# KiCad board OLD_PCB.kicad_pcb (continued)
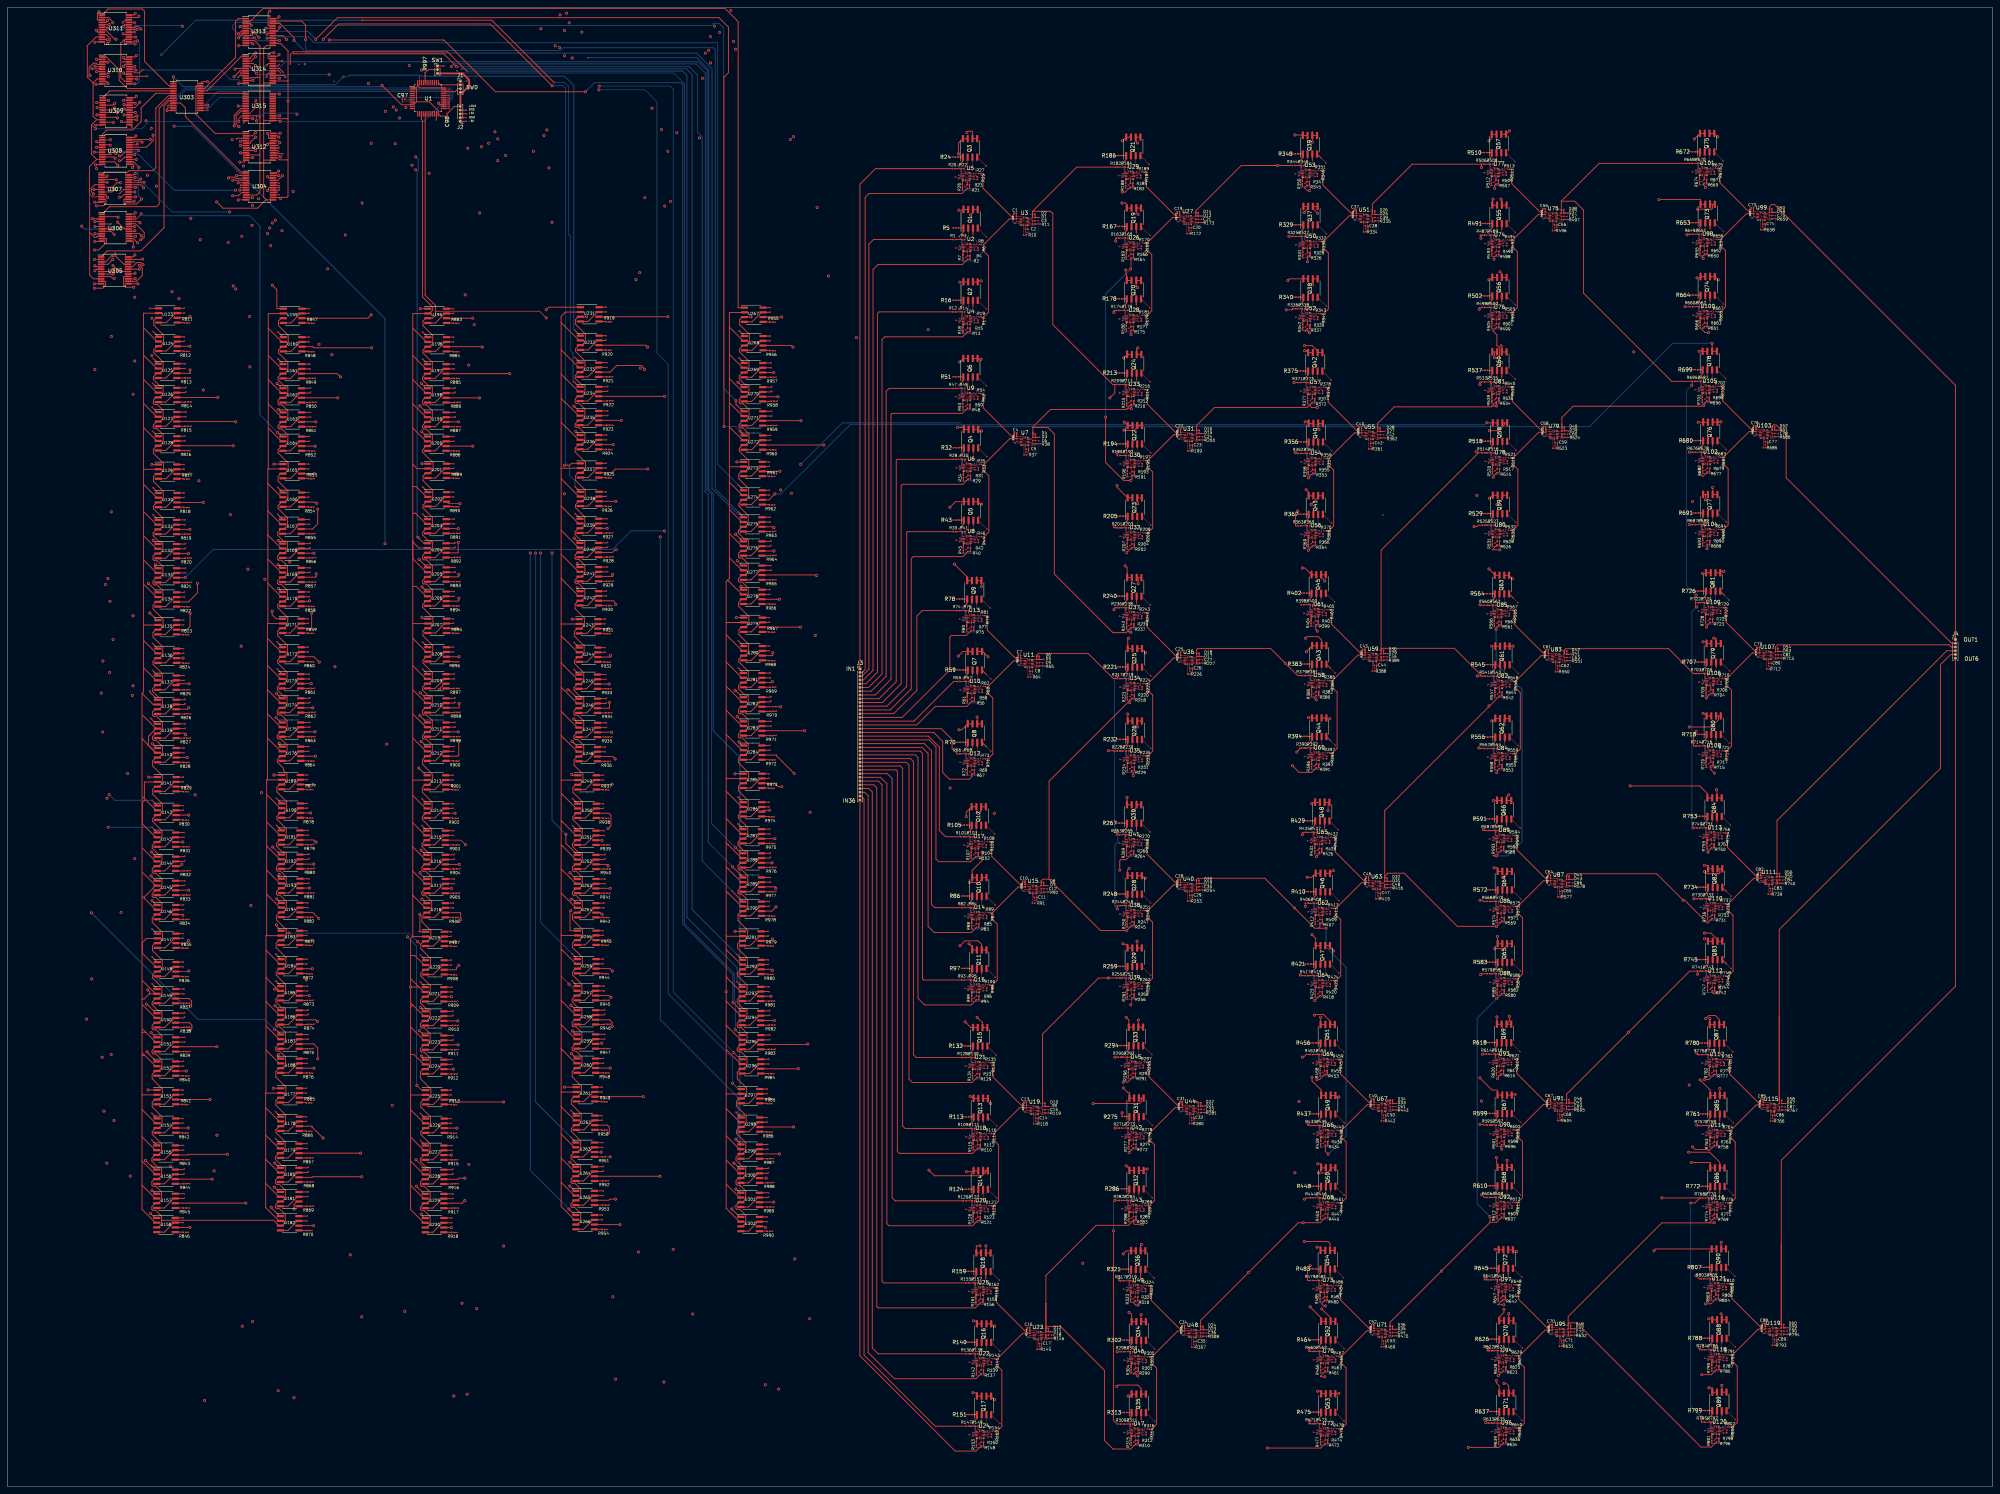
[diagram p0: board, top side]
## Routing (per net, layer and track width the routed paths; a pad name or vN(x,y) marks a point on that pad's centre or on a via; arc(x,y) is an arc through that point) (continued)
/W313: length 267.6
  Top w0.25: 346,341.88 346,341.86 347.25,341.86 347.26,341.88 347.26,341.31 v2(346.17,340.22) ; U197.6 v2(134.1,297.22)
  In1.Cu w0.25: v2(134.1,297.22) 145.38,308.49 v2(145.38,337.64)
  In2.Cu w0.25: v2(346.17,340.22) 345.91,340.48 267.21,340.48 264.36,337.64 v2(145.38,337.64)
/W314: length 286.4
  Top w0.25: 348.55,341.86 349.79,341.86 349.8,341.88 ; 348.55,341.86 348.55,341.29 v2(349.78,340.06) ; 348.55,341.86 348.53,341.88 ; v2(126.04,290.75) 117.11,290.75 117.09,290.77 U198.6
  In1.Cu w0.25: v2(126.04,340.14) v2(126.04,290.75)
  In2.Cu w0.25: v2(126.04,340.14) 254.3,340.14 255.13,340.97 348.87,340.97 v2(349.78,340.06)
/W315: length 264.9
  Top w0.25: 345.97,322.54 347.25,322.54 Q38.7 ; 345.97,322.54 345.98,322.54 Q38.8 ; 345.97,322.54 342.32,322.54 v2(341.85,322.07) ; 117.09,284.32 117.12,284.35 v2(120.45,284.35)
  In2.Cu w0.25: v2(122.21,318.26) 244.85,318.26 247.41,320.82 259.96,320.82 261.2,322.07 v2(341.85,322.07)
  In3.Cu w0.25: v2(122.21,318.26) 122.21,286.11 v2(120.45,284.35)
/W316: length 270.9
  Top w0.25: Q38.5 349.79,322.54 348.54,322.54 Q38.6 348.53,321.06 v2(348.43,320.96) ; 117.09,277.87 117.1,277.85 v2(124.25,277.85)
  In1.Cu w0.25: v2(124.25,277.85) 124.63,278.23 v2(124.63,310.28)
  In2.Cu w0.25: v2(348.43,320.96) 261.07,320.96 260.48,320.37 247.6,320.37 237.51,310.28 v2(124.63,310.28)
/W321: length 260.2
  Top w0.25: 347.26,302.84 347.24,302.84 346.74,303.34 v2(346.35,303.34) ; 347.26,302.84 Q42.8 ; 347.26,302.84 348.52,302.84 Q42.7 ; U201.6 v2(120.01,270.62)
  In2.Cu w0.25: v2(346.35,303.34) 296.87,303.34 296.15,302.61 182.36,302.61 179.23,299.48 v2(123.13,299.48)
  In3.Cu w0.25: v2(123.13,299.48) 123.13,273.74 v2(120.01,270.62)
/W322: length 252.9
  Top w0.2: v2(120.8,262.5) 117.72,262.5 U202.6
  Top w0.25: v2(346.3,304.7) 348.33,304.7 349.8,303.23 Q42.6 349.8,302.84 351.06,302.84 Q42.5
  In4.Cu w0.2: v2(148.7,265.1) 146.1,262.5 v2(120.8,262.5)
  In5.Cu w0.2: v2(148.7,265.1) 202.79,265.1 203.24,265.55 203.66,265.55 203.95,265.84 203.95,266.35 227.1,289.5 294.08,289.5 295.04,290.46 332.06,290.46 v2(346.3,304.7)
/W323: length 246.1
  Top w0.25: v2(346.48,284.33) 346.99,284.33 Q40.8 ; U203.6 v2(120.35,255.82) ; 347.41,283.91 347.41,284.88 347.41,284.88 Q40.8 ; Q40.8 347.42,283.9 348.67,283.9 Q40.7
  In2.Cu w0.25: v2(346.48,284.33) 342.41,284.33 340.5,282.42 299.46,282.42 287.37,270.33 207.07,270.33 206.69,269.95 205.72,269.95 205.34,270.33 176.89,270.33 168.47,261.92 161.96,261.92 161.59,262.28 126.81,262.28 v2(120.35,255.82)
/W324: length 253.4
  Top w0.25: 349.96,283.9 349.93,283.9 349.93,282.55 v2(350.16,282.32) ; 349.96,283.9 351.21,283.9 Q40.5 ; 349.96,283.9 Q40.6 349.95,284.86 349.95,284.86 349.95,283.91 ; U204.6 117.11,249.37 117.12,249.36 120.33,249.36 120.33,252.11 v2(120.36,252.15)
  In2.Cu w0.25: v2(120.36,252.15) 129.38,261.16 190.11,261.16 197.01,268.06 296.56,268.06 296.72,267.9 329.95,267.9 344.37,282.32 v2(350.16,282.32)
/W325: length 244
  Top w0.25: Q41.8 347.4,265.56 ; Q41.8 347.42,264.58 348.66,264.58 Q41.7 ; Q41.8 347.4,265.56 ; 347.4,265.56 v2(346.74,266.23) ; v2(120.49,243.6) 120.49,243.07 120.38,242.96 117.14,242.96 U205.6
  In2.Cu w0.25: v2(346.74,266.23) 341.36,266.23 340.84,265.7 256.16,265.7 255.87,266 207.3,266 198.34,257.03 168.37,257.03 154.94,243.6 v2(120.49,243.6)
/W326: length 249
  Top w0.25: U206.6 117.12,236.46 120.28,236.46 120.49,236.67 v2(120.49,237.24) ; 349.96,264.58 351.2,264.58 Q41.5 ; 349.96,264.58 349.92,264.58 349.92,264.17 v2(348.06,262.3) ; 349.96,264.58 Q41.6 ; Q41.6 349.94,265.54 Q41.6
  In2.Cu w0.25: v2(120.49,237.24) 197.79,237.24 220.86,260.31 261.17,260.31 264.09,263.23 302.13,263.23 303.06,262.3 v2(348.06,262.3)
/W331: length 241.6
  Top w0.25: v2(345.74,245.29) 346.4,245.29 Q45.8 ; Q45.7 349.44,243.5 348.19,243.5 Q45.8 ; Q45.8 348.18,244.48 348.18,244.48 348.18,243.51 ; U207.6 v2(119.98,229.22)
  In2.Cu w0.25: v2(119.98,229.22) 123.94,233.18 207.27,233.18 218.33,244.24 261.56,244.24 262.01,244.69 345.13,244.69 v2(345.74,245.29)
/W332: length 248.5
  Top w0.25: v2(351.72,241.87) 350.73,242.85 350.73,243.5 ; U208.6 v2(120.56,221.62) ; 350.73,243.5 351.98,243.5 Q45.5 ; 350.73,243.5 Q45.6 350.72,244.46 350.72,244.46 350.72,243.51
  In2.Cu w0.25: v2(351.72,241.87) 227.28,241.87 206.94,221.53 204.44,221.53 204.16,221.24 120.94,221.24 v2(120.56,221.62)
/W333: length 243.1
  Top w0.25: v2(346.8,222.94) 348.33,224.47 Q43.8 348.34,224.56 349.59,224.56 Q43.7 ; v2(115.3,212.9) 115.3,213.02 116.7,214.42 U209.6
  In4.Cu w0.25: v2(346.8,222.94) 346.37,223.37 264.6,223.37 261.63,220.4 205.44,220.4 196.66,211.62 116.58,211.62 v2(115.3,212.9)
/W334: length 245.5
  Top w0.25: v2(346.55,226.55) 347,226.99 349.94,226.99 350.87,226.06 Q43.6 350.88,224.56 352.13,224.56 Q43.5 ; v2(120.6,209.14) 120.6,207.95 117.1,207.95 117.09,207.97 U210.6
  In2.Cu w0.25: v2(120.6,209.14) 154.14,209.14 161.7,216.71 210.08,216.71 219.19,225.81 345.82,225.81 v2(346.55,226.55)
/W335: length 246.4
  Top w0.25: v2(120.35,201.55) 117.11,201.55 U211.6 ; v2(347.38,205.33) 348.24,205.33 Q44.8 348.34,205.24 ; 348.34,205.24 349.59,205.24 Q44.7 ; 348.34,205.24 348.31,205.24
  In2.Cu w0.25: v2(120.35,201.55) 126.58,207.78 204.28,207.78 206.99,210.48 208.32,210.48 217.97,220.12 264.29,220.12 279.08,205.33 v2(347.38,205.33)
/W336: length 257.1
  Top w0.25: v2(353.07,205.05) 352.33,205.05 Q44.5 352.13,205.24 350.88,205.24 Q44.6 ; v2(120.49,199.02) 120.49,195.29 120.25,195.05 117.09,195.05 U212.6
  In2.Cu w0.25: v2(120.49,199.02) 123.59,202.12 160.11,202.12 161.92,203.94 201.08,203.94 206.13,208.98 207.47,208.98 218.12,219.64 264.14,219.64 279.17,204.61 347.68,204.61 348.13,205.05 v2(353.07,205.05)
/W341: length 240.6
  Top w0.25: 349.16,182.7 Q48.8 ; 349.16,182.7 348.54,182.7 v2(348.24,182.4) ; 349.16,182.7 350.4,182.7 Q48.7 ; Q48.8 349.15,183.68 Q48.8 ; U213.6 118.74,187.42 v2(118.74,187.25)
  In2.Cu w0.25: v2(118.74,187.25) 160.71,187.25 161.51,186.45 193.95,186.45 195.72,184.68 207.75,184.68 213.57,178.87 230.11,178.87 233.14,181.9 347.74,181.9 v2(348.24,182.4)
/W342: length 242.8
  Top w0.2: v2(352.6,180.5) 352.6,182.36 Q48.5 ; v2(119.5,179.8) 119.49,179.82 U214.6
  Top w0.25: Q48.6 351.69,183.66 Q48.6 ; Q48.6 351.7,182.7 352.94,182.7 Q48.5
  In4.Cu w0.2: v2(119.5,179.8) 213.04,179.8 214.64,178.2 345.7,178.2 348,180.5 v2(352.6,180.5)
/W343: length 240
  Top w0.2: U215.6 121.08,172.62 v2(122.3,171.39)
  Top w0.25: v2(347,162.7) 348.22,162.7 349.29,163.78 349.31,163.76 350.55,163.76 350.56,163.78
  In4.Cu w0.25: v2(122.3,171.39) 122.82,170.88 161.02,170.88 162.02,169.88 258.75,169.88 259.92,168.7 295.85,168.7 298.02,170.88 301.42,170.88 309.6,162.7 v2(347,162.7)
/W344: length 241.5
  Top w0.25: 351.83,163.78 351.85,163.76 353.09,163.76 353.87,164.54 v2(354.01,164.54) ; U216.6 116.91,166.17 116.93,166.15 v2(120.63,166.15)
  In2.Cu w0.25: v2(354.01,164.54) 353.38,163.91 298.68,163.91 297.27,165.32 296.67,165.32 296.17,164.82 196.61,164.82 194.9,166.52 121,166.52 v2(120.63,166.15)
/W345: length 242.7
  Top w0.25: v2(118.51,159.75) 118.47,159.72 U217.6 ; v2(348.31,147.37) 349.29,146.39 Q47.8 349.3,144.44 350.55,144.44 Q47.7
  In2.Cu w0.25: v2(348.31,147.37) 339.14,156.54 275.58,156.54 271.68,160.44 256.12,160.44 255.66,160.9 202.8,160.9 202.12,161.58 120.74,161.58 118.91,159.75 v2(118.51,159.75)
/W346: length 245.5
  Top w0.25: 353.09,144.44 351.84,144.44 Q47.6 ; 353.09,144.44 Q47.5 ; 353.09,144.44 353.09,144.01 v2(354.05,143.05) ; v2(120.99,151.36) 120.99,153.09 120.83,153.25 116.92,153.25 116.91,153.27
  In2.Cu w0.25: v2(354.05,143.05) 353.85,143.25 195.33,143.25 187.23,151.36 v2(120.99,151.36)
/W351: length 245.6
  Top w0.25: 351.86,123.38 351.85,123.36 350.61,123.36 Q51.8 v2(350.59,125.32) ; U219.6 v2(119.5,145.62)
  In2.Cu w0.25: v2(119.5,145.62) 156.39,145.62 160.75,141.25 334.66,141.25 v2(350.59,125.32)
/W352: length 247.1
  Top w0.25: Q51.5 354.39,123.36 353.15,123.36 Q51.6 353.13,124.33 351.4,126.06 349.14,126.06 v2(348.97,125.88) ; v2(120.49,139.18) 119.87,138.56 119.87,138.02 U220.6
  In2.Cu w0.25: v2(348.97,125.88) 300.74,125.88 299.43,124.58 266.97,124.58 252.54,139.01 203.73,139.01 203.56,138.85 175.58,138.85 175.35,139.08 120.6,139.08 v2(120.49,139.18)
/W353: length 248.8
  Top w0.25: Q49.7 352,104.43 350.76,104.43 Q49.8 350.74,105.41 ; U221.6 v2(118.5,130.81) ; v2(348.3,109.25) 348.3,108.34 350.74,105.9 350.74,105.41 ; 350.74,104.44 350.74,105.41
  In2.Cu w0.25: v2(118.5,130.81) 158.57,130.81 162.83,126.56 204.23,126.56 220.03,110.76 346.79,110.76 v2(348.3,109.25)
/W354: length 251.6
  Top w0.25: v2(120.23,124.35) 116.53,124.35 116.52,124.37 U222.6 ; v2(355.47,104.05) 354.95,104.05 Q49.5 354.54,104.43 353.3,104.43 Q49.6 353.28,105.39 353.28,104.44
  In2.Cu w0.25: v2(120.23,124.35) 120.42,124.16 155.97,124.16 158.84,121.29 198.75,121.29 204.46,115.58 205.52,115.58 216.22,104.89 257.34,104.89 258.18,104.05 v2(355.47,104.05)
/W355: length 250.7
  Top w0.25: Q50.8 350.74,86.09 ; Q50.8 350.75,85.1 352,85.1 Q50.7 ; Q50.8 350.74,86.09 ; 350.74,86.09 350.64,86.18 v2(349.84,86.18) ; U223.6 116.54,117.95 v2(120.33,117.95)
  In2.Cu w0.25: v2(120.33,117.95) 136.39,101.89 202.98,101.89 218.07,86.8 252.8,86.8 253.1,86.5 349.51,86.5 v2(349.84,86.18)
/W356: length 265.5
  Top w0.25: v2(119.06,111.45) 116.52,111.45 U224.6 ; 353.29,85.1 353.27,85.1 353.27,84.68 352.35,83.75 v2(350.02,83.75) ; 353.29,85.1 Q50.6 ; 353.29,85.1 354.54,85.1 Q50.5 ; Q50.6 353.28,86.07 Q50.6
  In2.Cu w0.25: v2(350.02,83.75) 349.3,83.04 211.82,83.04 210.41,84.45 161.43,84.45 159.77,86.11 150.68,86.11 150.45,85.88 123.34,85.88 v2(123.19,86.02)
  In3.Cu w0.25: v2(123.19,86.02) 123.19,102.69 119.06,106.83 v2(119.06,111.45)
/W361: length 276.4
  Top w0.25: 350.58,63.93 350.58,64.01 Q54.8 ; 350.58,63.93 Q54.8 ; 350.58,63.93 v2(349.64,63.93) ; U225.6 119.49,103.32 120.11,102.69 v2(132.45,102.69) ; Q54.8 350.59,63.03 351.84,63.03 Q54.7
  In2.Cu w0.25: v2(132.45,64.21) 258.68,64.21 259.36,63.53 296.99,63.53 297.39,63.93 v2(349.64,63.93)
  In3.Cu w0.25: v2(132.45,102.69) v2(132.45,64.21)
/W362: length 262.3
  Top w0.25: Q54.6 353.13,63.03 354.38,63.03 Q54.5 ; Q54.6 353.12,63.63 ; Q54.6 353.12,63.63 ; U226.6 v2(119.99,95.72) ; v2(346.27,65.44) 352.63,65.44 353.12,64.95 353.12,63.63
  In2.Cu w0.25: v2(119.99,95.72) 205.09,95.72 215.5,85.31 246.22,85.31 246.68,84.85 256.31,84.85 257.34,83.81 v2(343.74,83.81)
  In3.Cu w0.25: v2(346.27,65.44) 343.74,67.96 v2(343.74,83.81)
/W363: length 276.2
  Top w0.25: Q52.7 351.99,44.1 350.73,44.1 Q52.8 350.73,45.08 350.69,45.08 v2(347.81,47.97) ; U227.6 v2(118.5,88.52)
  In2.Cu w0.25: v2(121.34,48.94) 160.09,48.94 161.34,47.68 347.53,47.68 v2(347.81,47.97)
  In3.Cu w0.25: v2(118.5,88.52) 118.5,86.63 121.34,83.78 v2(121.34,48.94)
/W364: length 273.3
  Top w0.25: v2(122.14,82.36) 120.53,82.36 120.22,82.06 116.53,82.06 116.51,82.07 U228.6 ; v2(350.91,47.42) 353.27,45.06 Q52.6 353.27,44.1 354.53,44.1 Q52.5
  In2.Cu w0.25: v2(350.91,47.42) 350.72,47.23 125.56,47.23 v2(125.27,47.51)
  In3.Cu w0.25: v2(125.27,47.51) 125.27,79.22 v2(122.14,82.36)
/W365: length 288.5
  Top w0.25: U229.6 116.53,75.66 121.4,75.66 v2(122.1,76.36) ; Q53.7 351.98,24.77 350.72,24.77 350.72,25.45 v2(349.79,25.45)
  In2.Cu w0.25: v2(349.79,25.45) 259.21,25.45 258.08,24.32 123.03,24.32 v2(122.73,24.63)
  In3.Cu w0.25: v2(122.73,24.63) 122.73,75.74 v2(122.1,76.36)
/W366: length 286.5
  Top w0.25: v2(355.48,24.85) 354.6,24.85 Q53.5 354.52,24.77 353.26,24.77 Q53.6 ; U230.6 116.52,69.16 v2(118.5,69.16)
  In1.Cu w0.25: v2(118.5,69.16) 119.18,68.47 v2(119.18,24.17)
  In2.Cu w0.25: v2(355.48,24.85) 355.35,24.73 349.27,24.73 349.07,24.93 259.33,24.93 258.27,23.87 119.48,23.87 v2(119.18,24.17)
/W411: length 286.3
  Top w0.25: U231.6 v2(176.31,312.42) ; Q57.7 397.56,361.15 396.31,361.15 ; 396.31,361.15 396.28,361.15 396.28,360.12 v2(395.57,359.41) ; 396.31,361.15 Q57.8
  In1.Cu w0.25: v2(176.31,312.42) v2(176.31,356.59)
  In2.Cu w0.25: v2(395.57,359.41) 392.82,356.66 176.38,356.66 v2(176.31,356.59)
/W412: length 301.9
  Top w0.25: v2(401.03,362.08) Q57.5 400.1,361.15 398.84,361.15 Q57.6 ; 157.93,304.82 170.36,304.82 v2(170.89,304.29)
  In1.Cu w0.25: v2(174.61,362.38) 174.61,308.02 v2(170.89,304.29)
  In2.Cu w0.25: v2(401.03,362.08) 400.73,362.38 v2(174.61,362.38)
/W413: length 290.1
  Top w0.25: 396.45,343.19 396.45,343.19 Q55.8 396.46,342.21 397.71,342.21 Q55.7 ; 396.45,343.19 396.45,342.22 ; 396.45,343.19 396.45,343.65 v2(396.62,343.83) ; v2(170.1,298.3) 170.1,298.59 169.29,299.39 162.66,299.39 160.88,297.62 U233.6
  In1.Cu w0.25: v2(170.1,298.3) 170.16,298.37 v2(170.16,344.21)
  In2.Cu w0.25: v2(396.62,343.83) 396.24,344.21 v2(170.16,344.21)
/W414: length 296.6
  Top w0.25: 398.99,343.17 398.99,343.17 Q55.6 399,342.21 400.25,342.21 Q55.5 ; 398.99,343.17 398.99,342.22 ; 398.99,343.17 398.99,343.57 v2(398.75,343.81) ; U234.6 157.84,291.17 157.85,291.15 v2(175.48,291.15)
  In1.Cu w0.25: v2(175.48,291.15) v2(175.48,341.97)
  In2.Cu w0.25: v2(398.75,343.81) 396.99,342.05 216.72,342.05 216.47,342.3 177.78,342.3 177.44,341.97 v2(175.48,341.97)
/W415: length 277.8
  Top w0.25: 396.46,322.88 Q56.8 ; 396.46,322.88 396.43,322.88 395.85,322.31 v2(395.53,322.31) ; 396.46,322.88 397.7,322.88 Q56.7 ; Q56.8 396.44,323.87 396.44,323.87 Q56.8 ; v2(163.93,284.75) 157.86,284.75 U235.6
  In1.Cu w0.25: v2(167.8,322.31) 167.8,288.63 v2(163.93,284.75)
  In2.Cu w0.25: v2(167.8,322.31) 245.97,322.31 246.48,322.81 395.03,322.81 v2(395.53,322.31)
/W416: length 286.6
  Top w0.25: 398.98,323.85 398.98,323.92 v2(398.46,324.44) ; 398.98,323.85 398.98,323.85 Q56.6 ; 398.98,323.85 Q56.6 ; Q56.5 400.24,322.88 399.01,322.88 ; 398.96,322.88 399.01,322.88 ; 399.01,322.88 399,322.9 Q56.6 ; 157.83,278.26 157.84,278.25 v2(161.75,278.25)
  In1.Cu w0.25: v2(168.79,324.18) 168.79,299.49 168.27,298.96 168.27,284.77 v2(161.75,278.25)
  In2.Cu w0.25: v2(398.46,324.44) 398.2,324.18 v2(168.79,324.18)
/W421: length 256.6
  Top w0.25: 397.08,303 397.01,302.93 v2(397.01,301.49) ; 397.08,303 397.7,303 Q60.7 ; 397.08,303 396.46,303 Q60.8 ; Q60.8 396.45,303.98 Q60.8 ; U237.6 161.29,270.72 162.3,271.73 v2(170.95,271.73)
  In2.Cu w0.25: v2(397.01,301.49) 317.38,301.49 299.24,283.35 262.75,283.35 255.72,276.32 211.22,276.32 206.76,271.86 171.07,271.86 v2(170.95,271.73)
/W422: length 279
  Top w0.25: v2(398.79,304.64) 398.99,304.44 398.99,303.96 ; v2(162.44,263.1) 161.31,263.1 161.29,263.12 U238.6 ; 398.99,303.96 Q60.6 ; 398.99,303.96 Q60.6 ; Q60.6 399,303 400.24,303 Q60.5
  In2.Cu w0.25: v2(398.79,304.64) 398.15,304.64 396.12,302.61 296.79,302.61 296.24,302.07 194.09,302.07 191.05,299.03 169.36,299.03 v2(168.99,298.66)
  In3.Cu w0.25: v2(168.99,298.66) 168.99,269.65 v2(162.44,263.1)
/W423: length 252.2
  Top w0.25: v2(160.1,255.9) 157.82,255.9 U239.6 ; 397.86,284.08 397.85,284.06 396.59,284.06 Q58.8 395.02,284.08 v2(395,284.1)
  In4.Cu w0.25: v2(160.1,255.9) 171,266.8 205.6,266.8 v2(211.8,273)
  Bottom w0.25: v2(395,284.1) 394.44,283.54 254.64,283.54 254.12,284.06 222.86,284.06 v2(211.8,273)
/W424: length 266.2
  Top w0.25: 399.78,284.06 399.78,283.64 398.13,281.99 v2(395.68,281.99) ; 399.78,284.06 399.15,284.06 Q58.6 ; 399.78,284.06 400.39,284.06 Q58.5 ; v2(162.56,250.19) 162.26,250.19 161.53,249.46 157.83,249.46 157.81,249.47 U240.6
  In2.Cu w0.25: v2(392.32,264.7) 211.59,264.7 199.77,252.88 165.25,252.88 v2(162.56,250.19)
  In3.Cu w0.25: v2(395.68,281.99) 393.2,279.51 393.2,278.85 393.47,278.58 393.47,265.86 v2(392.32,264.7)
/W425: length 249.7
  Top w0.25: v2(395.67,263.92) 396.49,264.74 396.6,264.74 ; 396.6,264.74 Q59.8 ; 396.6,264.74 397.85,264.74 Q59.7 ; U241.6 157.84,243.06 161.62,243.06 161.62,243.54 v2(161.57,243.6)
  In2.Cu w0.25: v2(395.67,263.92) 302.95,263.92 302.67,264.19 211.72,264.19 197.95,250.42 168.4,250.42 v2(161.57,243.6)
/W426: length 256
  Top w0.25: 399.14,264.74 400.39,264.74 Q59.5 ; 399.14,264.74 Q59.6 ; 399.14,264.74 399.11,264.74 399.11,263.69 v2(397.72,262.3) ; U242.6 157.81,236.56 161.72,236.56 162.39,235.89 v2(162.39,235.54)
  In2.Cu w0.25: v2(397.72,262.3) 393.37,257.95 273.12,257.95 260.77,245.59 213.41,245.59 203.35,235.54 v2(162.39,235.54)
/W431: length 248.2
  Top w0.25: U243.6 v2(160.49,229.12) ; v2(395.57,245.05) 397.1,243.52 Q63.8 397.11,243.35 398.36,243.35 Q63.7
  In2.Cu w0.25: v2(160.49,229.12) 203.93,229.12 218.6,243.79 261.74,243.79 262.19,244.24 345.71,244.24 346.53,245.05 v2(395.57,245.05)
/W432: length 255.8
  Top w0.25: U244.6 161,221.52 v2(161,221.97) ; Q63.6 399.65,243.35 400.9,243.35 Q63.5 v2(401.82,242.44)
  In2.Cu w0.25: v2(401.82,242.44) 401.67,242.59 262.47,242.59 262.3,242.43 225.92,242.43 205.47,221.98 161.01,221.98 v2(161,221.97)
/W433: length 247.2
  Top w0.25: 397.26,224.41 Q61.8 397.25,225.39 397.25,225.39 397.25,224.42 ; 397.26,224.41 v2(396.29,224.41) ; 397.26,224.41 398.51,224.41 Q61.7 ; U245.6 v2(160.64,214.32)
  In2.Cu w0.25: v2(396.29,224.41) 219.06,224.41 208.88,214.23 160.73,214.23 v2(160.64,214.32)
/W434: length 256.3
  Top w0.25: 157.5,207.87 157.52,207.87 157.53,207.85 160.74,207.85 v2(160.74,209.41) ; Q61.5 401.05,224.41 401.04,224.41 ; 401.04,224.41 399.8,224.41 Q61.6 399.79,225.37 399.79,225.37 399.79,224.42 ; 401.04,224.41 v2(401.97,224.41)
  In2.Cu w0.25: v2(401.97,224.41) 401.22,223.67 219.59,223.67 209.35,213.42 207.54,213.42 205.99,211.87 163.21,211.87 v2(160.74,209.41)
/W435: length 257
  Top w0.25: 397.26,205.08 Q62.8 ; 397.26,205.08 397.23,205.08 396.63,204.49 v2(396.3,204.49) ; 397.26,205.08 398.5,205.08 Q62.7 ; Q62.8 397.24,206.07 Q62.8 ; U247.6 157.54,201.45 v2(161.31,201.45)
  In2.Cu w0.25: v2(161.31,201.45) 208.86,201.45 226.59,219.18 257.9,219.18 272.97,204.1 395.91,204.1 v2(396.3,204.49)
/W436: length 261.1
  Top w0.25: U248.6 157.52,194.95 161.62,194.95 v2(162.26,194.31) ; v2(399.56,203.5) 399.56,204.86 399.78,205.08 399.8,205.08 ; Q62.6 399.78,206.05 Q62.6 ; Q62.6 399.8,205.08 ; Q62.5 401.04,205.08 399.8,205.08
  In2.Cu w0.25: v2(399.56,203.5) 304.54,203.5 299.45,198.41 258.62,198.41 254.99,194.79 241.56,194.79 228.89,182.11 226.52,182.11 216.58,192.06 164.51,192.06 v2(162.26,194.31)
/W441: length 248.8
  Top w0.25: 397.72,183.2 398.96,183.2 Q66.7 ; 397.72,183.2 Q66.8 ; 397.72,183.2 v2(396.78,183.2) ; Q66.8 397.71,184.18 Q66.8 ; U249.6 161.26,187.42 v2(161.42,187.57)
  In2.Cu w0.25: v2(396.78,183.2) 348.01,183.2 347.16,182.35 232.95,182.35 229.92,179.32 213.76,179.32 206.89,186.18 206.44,186.18 205.05,187.57 v2(161.42,187.57)
/W442: length 256.8
  Top w0.25: U250.6 160.59,179.82 161.11,179.3 161.11,176.45 v2(160.36,175.7) ; Q66.6 400.26,183.2 401.5,183.2 Q66.5 ; Q66.6 400.25,184.16 ; Q66.6 400.25,184.16 ; 400.25,184.16 v2(400.81,184.73)
  In2.Cu w0.25: v2(400.81,184.73) 400.05,184.73 394.08,178.76 298.4,178.76 294.66,175.02 161.04,175.02 v2(160.36,175.7)
/W443: length 246.1
  Top w0.15: v2(158.72,172.55) 158.66,172.62 U251.6
  Top w0.25: v2(396.93,165.25) 397.85,165.25 397.85,164.26 399.11,164.26 399.12,164.28
  In2.Cu w0.25: v2(158.72,172.55) 203.18,172.55 209.06,166.67 395.5,166.67 v2(396.93,165.25)
/W444: length 247.1
  Top w0.25: 401.66,164.28 401.65,164.26 400.39,164.26 ; v2(160.36,165.8) 160.36,166.15 157.13,166.15 157.12,166.17 U252.6 ; 400.39,164.26 400.38,164.26 400.38,163.83 v2(399.24,162.69) ; 400.39,164.26 400.39,164.28
  In2.Cu w0.25: v2(399.24,162.69) 398.48,163.46 297.08,163.46 296.17,164.36 177.34,164.36 175.91,165.8 v2(160.36,165.8)
/W445: length 250.1
  Top w0.25: Q65.7 399.11,144.94 397.86,144.94 Q65.8 397.85,146.89 v2(397.82,146.92) ; U253.6 157.14,159.75 v2(160.93,159.75)
  In2.Cu w0.25: v2(397.82,146.92) 397.54,146.64 347.63,146.64 347.26,147.01 268.8,147.01 255.36,160.45 161.63,160.45 v2(160.93,159.75)
/W446: length 249.5
  Top w0.25: 400.4,144.94 Q65.6 ; 400.4,144.94 400.38,144.94 400.38,144.51 399.52,143.65 v2(397.1,143.65) ; 400.4,144.94 401.65,144.94 Q65.5 ; v2(158.72,152.84) 158.3,153.27 157.11,153.27
  In2.Cu w0.25: v2(158.72,152.84) 158.86,152.98 247.44,152.98 256.19,144.23 396.51,144.23 v2(397.1,143.65)
/W451: length 253.2
  Top w0.25: Q69.8 397.69,123.48 398.94,123.48 Q69.7 ; Q69.8 397.68,124.46 ; Q69.8 397.68,124.46 ; U255.6 v2(160.43,145.92) ; 397.68,124.46 v2(397.68,125.43)
  In2.Cu w0.25: v2(397.68,125.43) 370.64,125.43 353.27,142.8 163.54,142.8 v2(160.43,145.92)
/W452: length 254.6
  Top w0.25: Q69.6 400.22,124.35 400.22,124.35 Q69.6 ; Q69.6 400.23,123.48 401.48,123.48 Q69.5 ; Q69.6 401,124.27 v2(401,125.6) ; v2(161.5,137.66) 160.84,138.31 U256.6
  In4.Cu w0.25: v2(401,125.6) 400.45,126.15 350.83,126.15 341.9,135.09 258.21,135.09 257.75,135.55 163.61,135.55 v2(161.5,137.66)
/W453: length 253.9
  Top w0.25: Q67.7 399.09,104.54 397.83,104.54 Q67.8 397.83,105.87 396.39,105.87 v2(393.13,109.13) ; U257.6 160.62,131.12 161.09,130.64 v2(161.13,130.64)
  In2.Cu w0.25: v2(161.13,130.64) 201.62,130.64 213.15,119.1 383.16,119.1 v2(393.13,109.13)
/W454: length 256.7
  Top w0.25: v2(402.55,104.69) 401.78,104.69 Q67.5 401.63,104.54 400.38,104.54 Q67.6 ; v2(161.44,122.85) 161.44,123.96 160.75,124.65 157.05,124.65 157.03,124.67 U258.6
  In2.Cu w0.25: v2(402.55,104.69) 402.08,105.16 257.7,105.16 257.52,105.34 216.4,105.34 205.71,116.04 204.65,116.04 197.83,122.85 v2(161.44,122.85)
/W455: length 257.3
  Top w0.15: v2(158.66,118.4) 157.21,118.4 U259.6
  Top w0.25: v2(397.56,87.87) 397.56,86.46 397.82,86.2 Q68.8 397.84,85.21 399.08,85.21 Q68.7
  In2.Cu w0.25: v2(158.66,118.4) 159.01,118.06 200.71,118.06 204.29,114.48 205.35,114.48 216.39,103.44 289.75,103.44 305.15,88.03 397.39,88.03 v2(397.56,87.87)
/W456: length 256.7
  Top w0.25: v2(400.36,87.13) Q68.6 400.38,85.21 401.62,85.21 401.63,85.23 ; v2(160.95,111.75) 157.04,111.75 U260.6
  In2.Cu w0.25: v2(160.95,111.75) 206.1,111.75 230.15,87.7 255.08,87.7 255.2,87.58 394.67,87.58 395.12,87.13 v2(400.36,87.13)
/W461: length 281
  Top w0.25: Q72.8 398.15,64.18 Q72.8 ; Q72.8 398.02,63.34 v2(397.21,63.34) ; Q72.8 398.16,63.2 ; Q72.7 399.4,63.2 398.16,63.2 ; 398.13,63.2 398.16,63.2 ; U261.6 v2(169.75,104.12)
  In1.Cu w0.25: v2(169.75,104.12) 169.75,71.33 v2(177.75,63.34)
  In2.Cu w0.25: v2(177.75,63.34) 178,63.08 297.18,63.08 297.41,63.31 298.39,63.31 298.5,63.19 397.06,63.19 v2(397.21,63.34)
/W462: length 280
  Top w0.25: v2(160.4,94.34) 160.69,94.63 160.69,96.02 160.19,96.52 U262.6 ; Q72.6 400.7,63.2 401.94,63.2 Q72.5 402.39,62.78 v2(402.9,62.78) ; Q72.6 400.69,64.16 Q72.6
  In1.Cu w0.25: v2(168.46,62.61) 168.46,86.28 v2(160.4,94.34)
  In2.Cu w0.25: v2(402.9,62.78) 402.73,62.61 298.45,62.61 298.2,62.86 297.6,62.86 297.35,62.61 v2(168.46,62.61)
/W463: length 286.1
  Top w0.25: U263.6 v2(158.52,89.31) ; Q70.7 399.55,44.26 398.29,44.26 Q70.8 398.29,45.25 399.56,46.51 v2(399.56,47.29)
  In1.Cu w0.25: v2(158.52,89.31) 161.62,86.22 v2(161.62,50.67)
  In2.Cu w0.25: v2(399.56,47.29) 397.89,48.96 351.42,48.96 351.25,48.79 346.9,48.79 345.02,50.67 v2(161.62,50.67)
/W464: length 279.7
  Top w0.25: v2(174.2,82.85) 156.73,82.85 156.72,82.87 U264.6 ; Q70.5 402.09,44.26 400.83,44.26 Q70.6 v2(400.83,46.18)
  In2.Cu w0.25: v2(182.96,46.05) 298.88,46.05 299.15,45.78 299.76,45.78 300.64,46.66 399.16,46.66 399.64,46.18 v2(400.83,46.18)
  In3.Cu w0.25: v2(174.2,82.85) 182.96,74.09 v2(182.96,46.05)
/W465: length 294.1
  Top w0.25: v2(397.56,28.29) 397.56,27.62 398.29,26.89 Q71.8 398.3,24.94 399.55,24.94 Q71.7 ; U265.6 156.74,76.45 160.53,76.45 160.83,76.75 v2(162.35,76.75)
  In1.Cu w0.25: v2(162.35,76.75) v2(162.35,28.68)
  In2.Cu w0.25: v2(162.35,28.68) 351.33,28.68 351.73,28.29 v2(397.56,28.29)
/W466: length 282.9
  Top w0.25: v2(163.54,69.95) 156.72,69.95 U266.6 ; v2(399.56,27.53) 400.15,27.53 400.83,26.85 Q71.6 400.84,24.94 402.09,24.94 Q71.5
  In2.Cu w0.25: v2(175.26,27.91) 299.51,27.91 299.89,27.53 v2(399.56,27.53)
  In3.Cu w0.25: v2(163.54,69.95) 175.26,58.23 v2(175.26,27.91)
/W511: length 298.8
  Top w0.25: Q75.7 453.15,361.36 451.91,361.36 Q75.8 v2(450.37,359.85) ; 201.72,312.32 v2(206.73,312.32)
  In1.Cu w0.25: v2(206.73,312.32) 209.03,314.62 v2(209.03,359.76)
  In2.Cu w0.25: v2(209.03,359.76) 296.97,359.76 297.35,360.14 297.95,360.14 298.32,359.76 394.9,359.76 395.27,360.14 450.09,360.14 v2(450.37,359.85)
/W512: length 314.2
  Top w0.25: 454.44,361.38 454.45,361.36 455.69,361.36 Q75.5 v2(456.61,360.47) ; v2(209.74,304.29) 209.32,304.72 U268.6
  In1.Cu w0.25: v2(209.86,360.49) 209.86,304.41 v2(209.74,304.29)
  In2.Cu w0.25: v2(209.86,360.49) 209.88,360.47 256.62,360.47 256.73,360.59 298.14,360.59 298.51,360.22 344.05,360.22 344.42,360.59 456.49,360.59 v2(456.61,360.47)
/W513: length 293.2
  Top w0.25: 452.04,343.04 452.04,343.71 v2(440.92,343.71) ; 452.04,343.04 Q73.8 ; 452.04,343.04 Q73.8 ; Q73.8 452.06,342.43 453.3,342.43 Q73.7 ; 201.62,297.52 v2(204.59,297.52)
  In2.Cu w0.25: v2(434.18,303.04) 397.19,303.04 396.31,302.16 297.29,302.16 295.46,300.33 257.96,300.33 257.23,301.06 208.13,301.06 v2(204.59,297.52)
  In3.Cu w0.25: v2(434.18,303.04) 434.18,336.97 v2(440.92,343.71)
/W514: length 302.5
  Top w0.25: U270.6 201.64,291.07 201.65,291.05 v2(205.72,291.05) ; 455.21,342.43 455.21,341.38 454.97,341.14 v2(451.27,341.14) ; 455.21,342.43 455.84,342.43 Q73.5 ; 455.21,342.43 454.6,342.43 Q73.6 ; Q73.6 454.58,343.39 Q73.6
  In2.Cu w0.25: v2(451.27,341.14) 450.8,341.6 216.2,341.6 v2(216.17,341.57)
  In3.Cu w0.25: v2(216.17,341.57) 216.17,301.5 v2(205.72,291.05)
